# Altium PCB OneStep.PcbDoc
Units mm, origin at the board's own origin, x right, y up, seen from the top; angles counter-clockwise.
Board outline 99.99 x 92.95 mm, 2 copper layers (Top Layer, Bottom Layer), stack 1.5 mm thick; 36 components, 45 nets, 169 pads, 0 vias.
Unrouted connection lines stored in the file: 1.
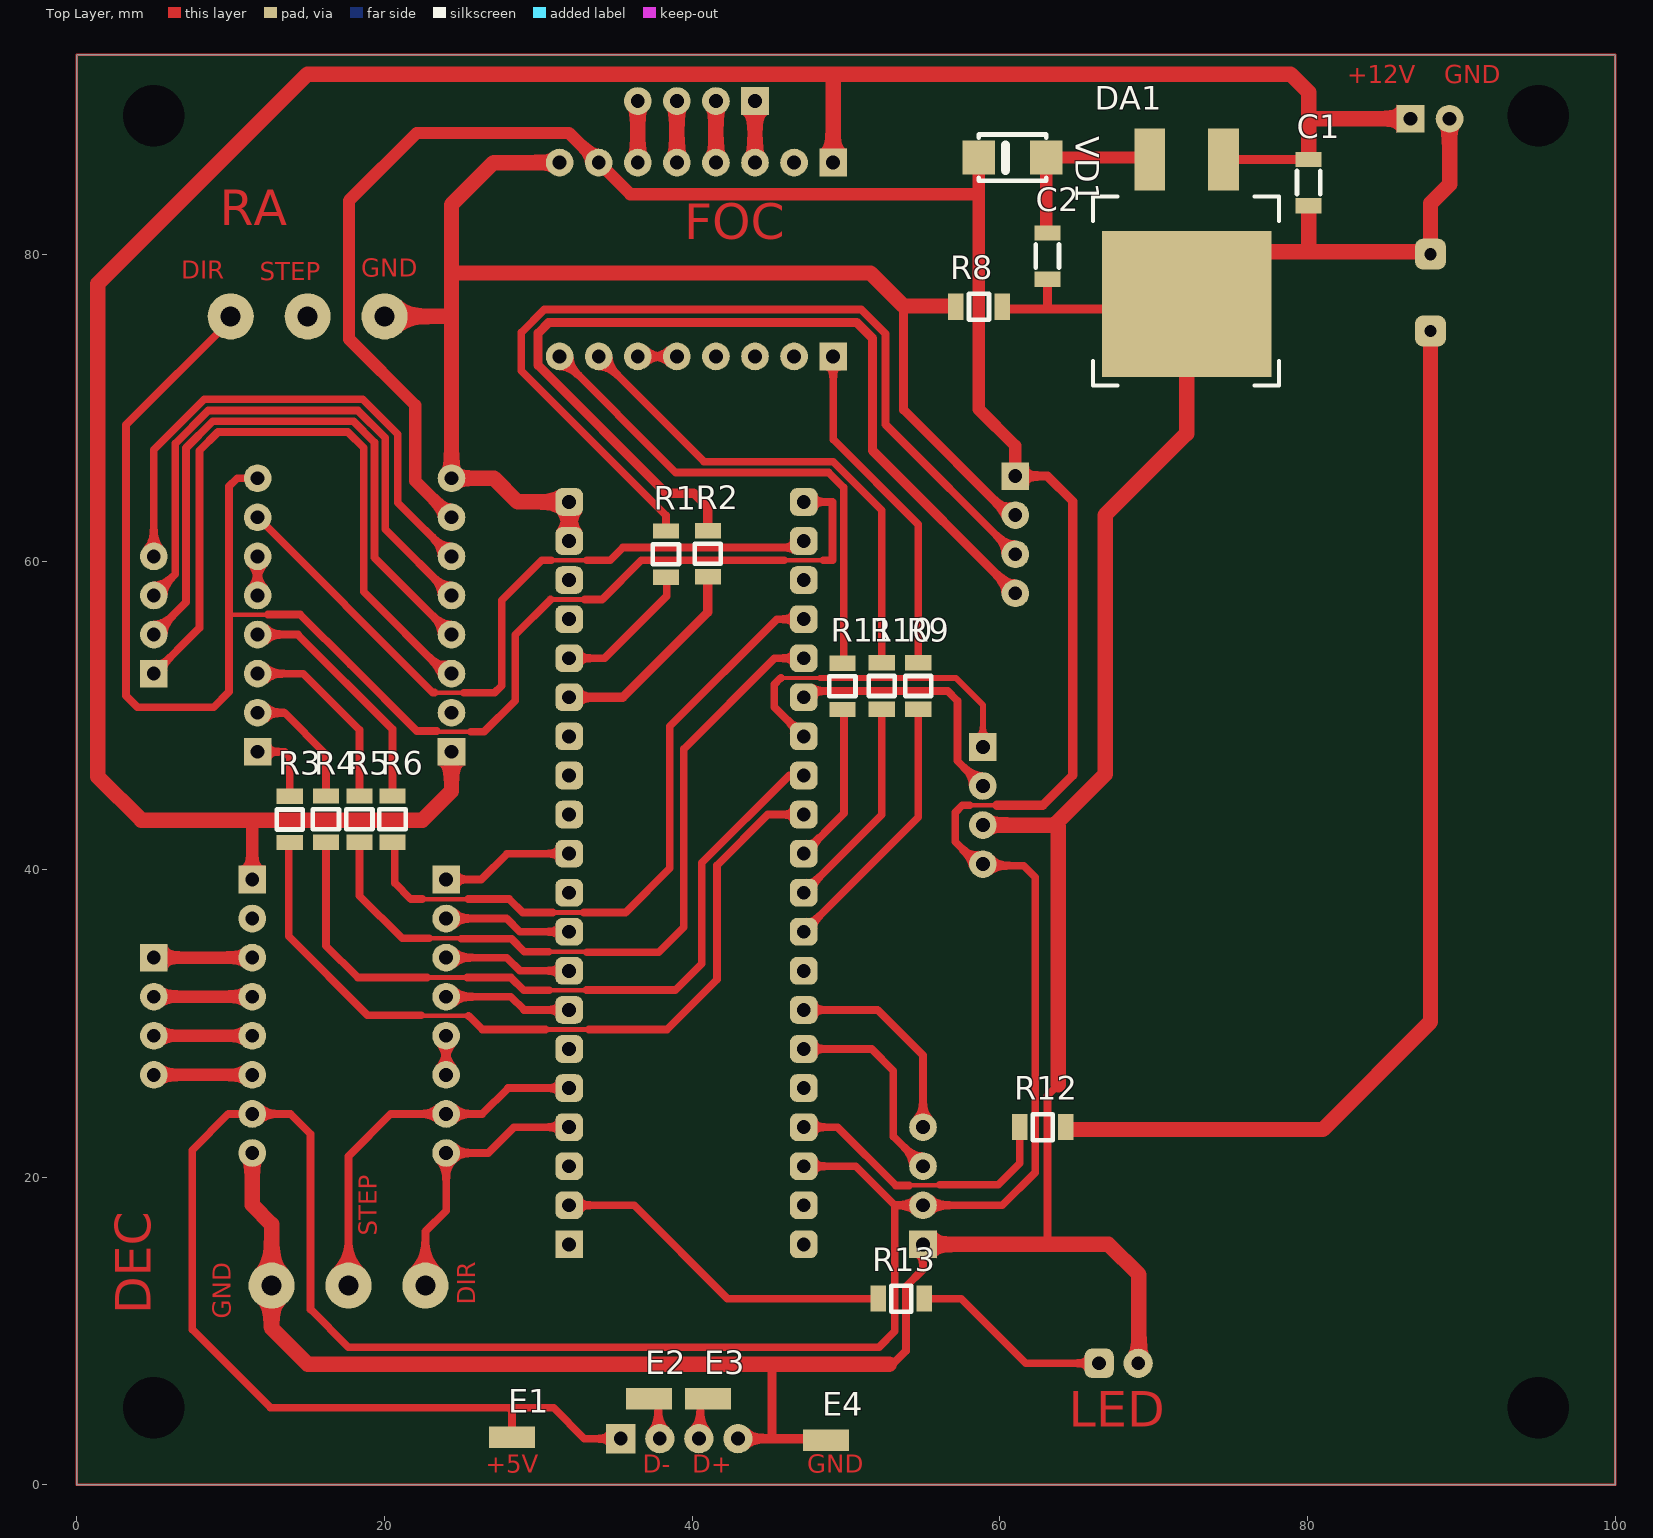
[diagram p0: Top Layer view]
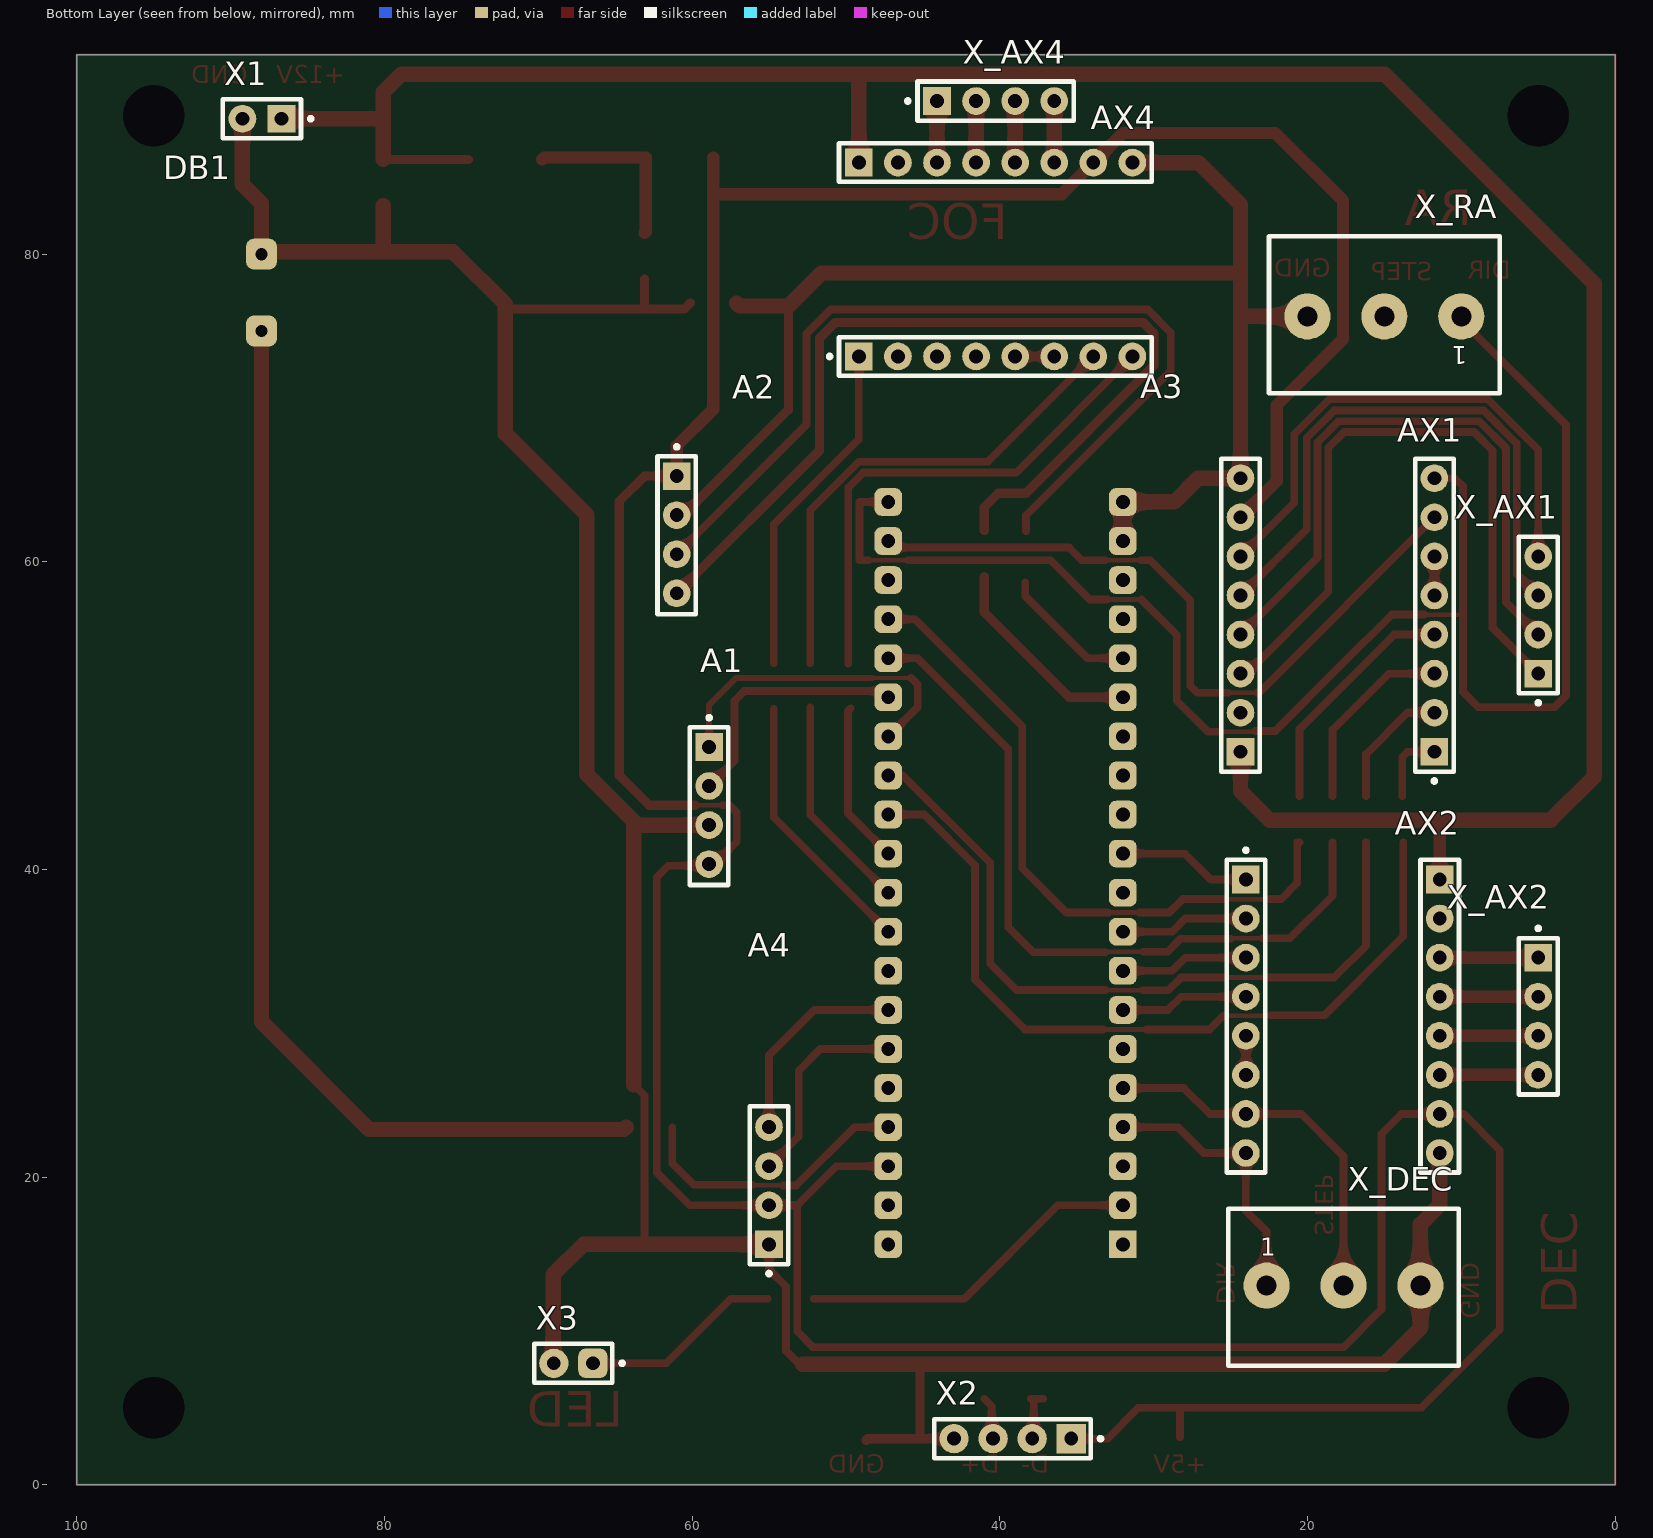
[diagram p1: Bottom Layer view, seen from below]
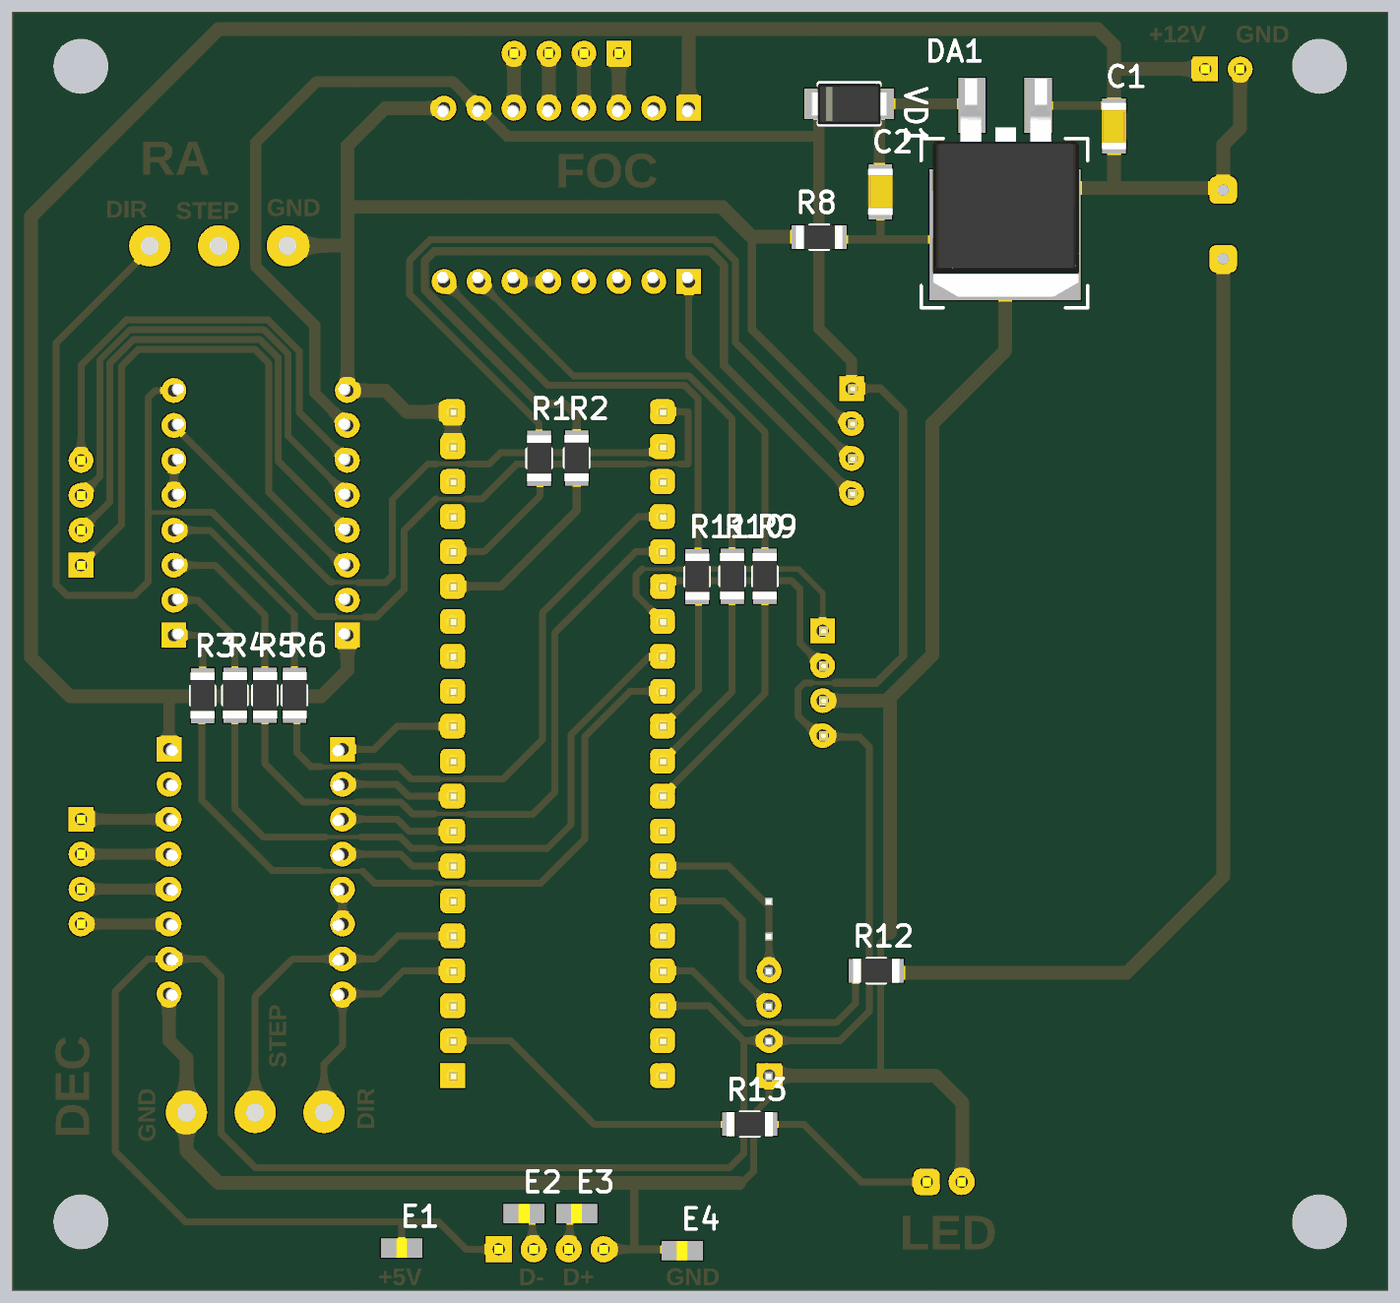
[diagram p2: 3D render of the assembled board from above, using the file's embedded part models]
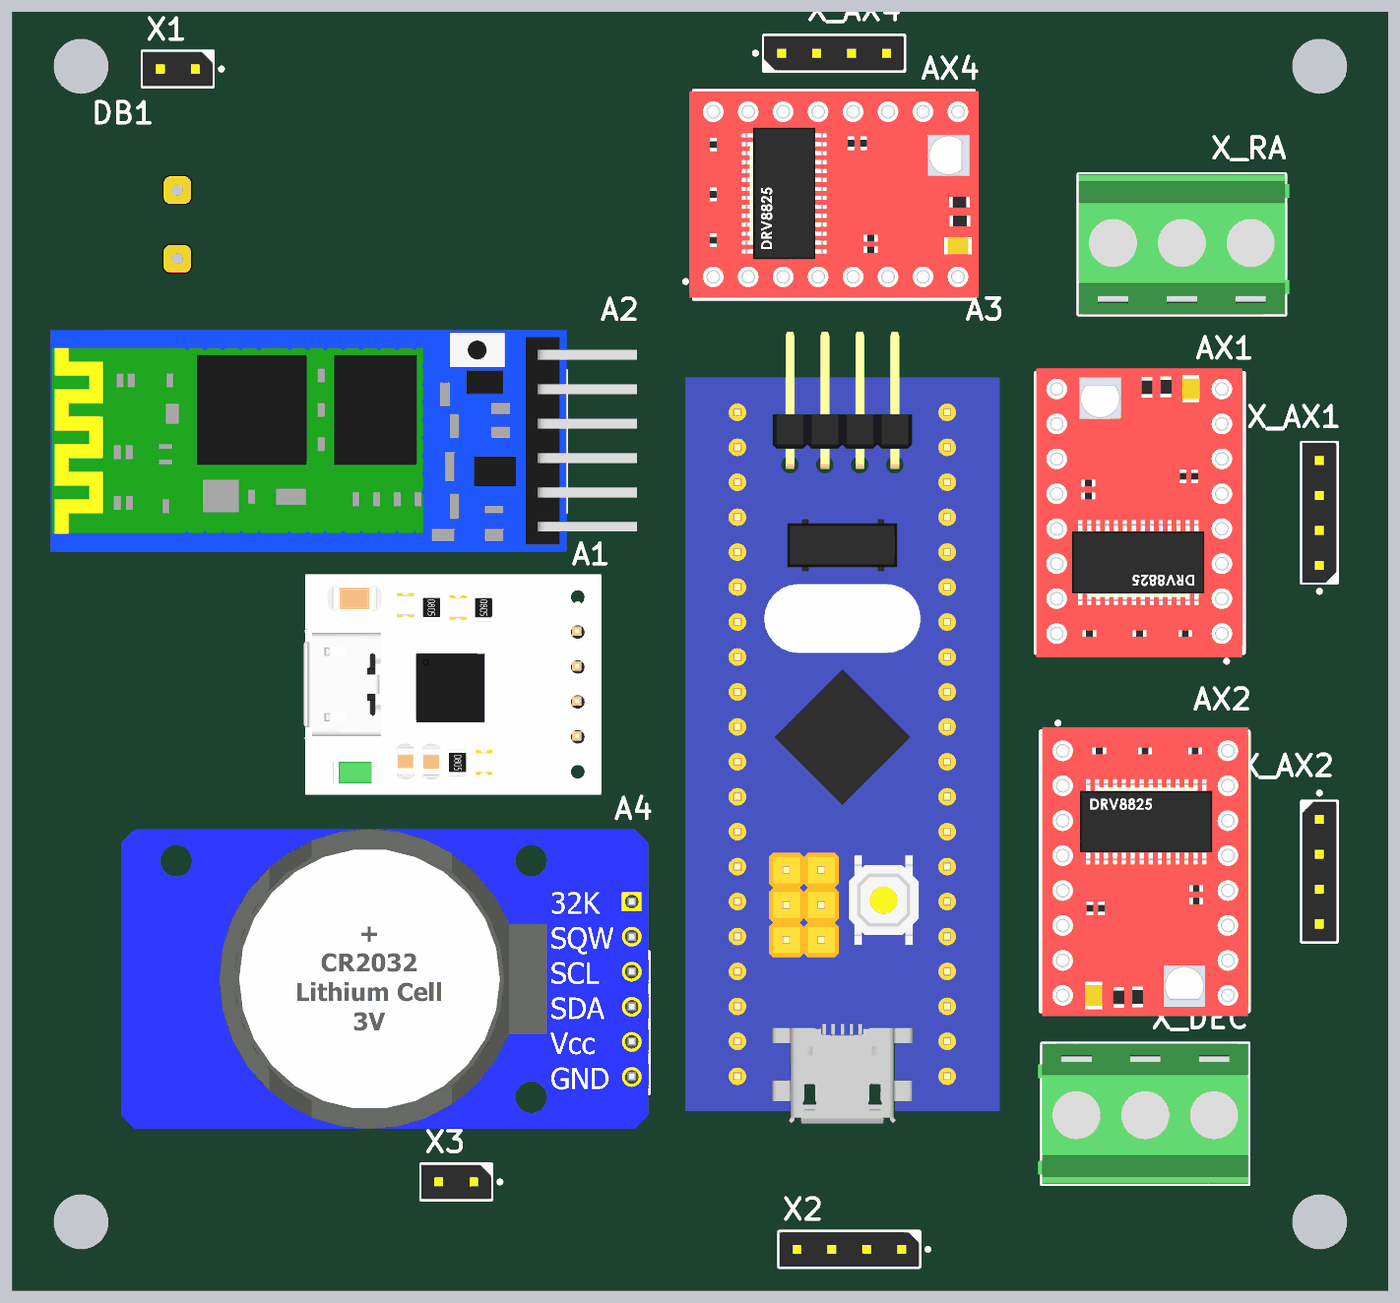
[diagram p3: 3D render of the assembled board from below, using the file's embedded part models]

## Layer stack, top to bottom
Top Solder: solder mask 0.05, Solder Resist, Dk 3.5
Top Layer: signal copper 0.018
Dielectric 1: dielectric 1.464, FR-4, Dk 4.8
Bottom Layer: signal copper 0.018
Bottom Solder: solder mask 0.05, Solder Resist, Dk 3.5

## Board outline
0.01,0 0.01,92.95 100,92.95 100,0

## Design rules (kind name [scope] priority, off if disabled: settings)
BoardOutlineClearance [OnLayer('Top Layer')] p1: gap=0.5 ignorepadtopadclearanceinfootprint=FALSE
BoardOutlineClearance BoardOutlineClearance_1 [OnLayer('Bottom Layer')] p2: gap=0.5 ignorepadtopadclearanceinfootprint=FALSE
Clearance [All] p1: gap=0.2 ignorepadtopadclearanceinfootprint=FALSE
ComponentClearance [All] p1: gap=0.5 collisioncheckmode=3 verticalgap=0.5 showdistances=FALSE
Height [All] p1: minheight=0 maxheight=50 prefheight=12.7
HoleSize [All] p1: absolutevalues=TRUE maxlimit=20 minlimit=0.4 maxpercent=80.000 minpercent=20.000
MinimumSolderMaskSliver [All] p1: minsoldermaskwidth=0.2
PolygonConnect PolygonConnect_Via [All] p1: connectstyle=Direct reliefconductorwidth=0.254 reliefentries=4 polygonreliefangle="90 Angle" airgapwidth=0.254
PolygonConnect [All] p2: connectstyle=Relief reliefconductorwidth=0.3 reliefentries=4 polygonreliefangle="90 Angle" airgapwidth=0.3
RoutingVias [All] p1: holewidth=0.711 width=1.27 viastyle="Through Hole" minholewidth=0.711 minwidth=1.27 maxholewidth=0.711 maxwidth=1.27
SilkToSilkClearance [All] p1: silktosilkclearance=0
SilkToSolderMaskClearance [IsPad] p1 off: minsilkscreentomaskgap=0.1 clearancetoexposedcopper=TRUE
SolderMaskExpansion [All] p1: expansion=0.1
Width [All] p1: maxlimit=2.5 minlimit=0.25 preferedwidth=0.3
24 further rules are at their usual default settings.

## Components (designator, comment, footprint, x,y, rotation, side; value= is the part's Value field where it differs from the comment)
A1 "CPL2102" CP2102 58.9,47.965 r180 bottom
A2 "HC-05" HC-05 61.01,65.57 r180 bottom
A3 "STM32F103C8" STM32BLUE_PILL 32.01,15.63 r0 bottom
A4 "DS3231" DS3231 55.01,23.25 r180 bottom
AX1 "A4988_Ra" A4899 11.76,47.65 r0 bottom
AX2 "A4988_Dec" A4899 24.01,39.35 r180 bottom
AX4 "A4988_Foc" A4899 49.17,73.35 r90 bottom
C1 "4,7мкФ" C1206H19 80.075,84.65 r90 top value=4.7uF
C2 "4,7мкФ" C1206H19 63.1,79.875 r90 top value=4.7uF
DA1 "L7805CD2T" D2PAK 72.05,76.65 r270 top
DB1 "PKM13" PKM13 88,80 r270 bottom
E1 "=Comment" KP_P08x14 28.3,3.1 r180 top
E2 "=Comment" KP_P08x14 37.2,5.6 r180 top
E3 "=Comment" KP_P08x14 41.025,5.6 r180 top
E4 "=Comment" KP_P08x14 48.7,2.9 r180 top
R1 "0 Ом" R1206H07 38.3,60.5 r90 top value=0Оhm
R2 "0 Ом" R1206H07 41.025,60.525 r90 top value=0Оhm
R3 "0 Ом" R1206H07 13.85,43.25 r90 top value=0Оhm
R4 "0 Ом" R1206H07 16.2,43.275 r270 top value=0Оhm
R5 "0 Ом" R1206H07 18.375,43.275 r90 top value=0Оhm
R6 "0 Ом" R1206H07 20.525,43.275 r90 top value=0Оhm
R8 "0 Ом" R1206H07 58.65,76.575 r0 top value=0Оhm
R9 "0 Ом" R1206H07 54.7,51.925 r90 top value=0Оhm
R10 "0 Ом" R1206H07 52.325,51.925 r90 top value=0Оhm
R11 "0 Ом" R1206H07 49.775,51.9 r90 top value=0Оhm
R12 "0 Ом" R1206H07 62.8,23.25 r0 top value=0Оhm
R13 "0 Ом" R1206H07 53.6,12.1 r180 top value=0Оhm
VD1 "US1J" SMA 60.825,86.275 r0 top
X1 "PLS-02" PLS-02#1 86.7,88.8 r0 bottom
X2 "PLS-04" PLS-04#1 35.36,3 r0 bottom
X3 "PLS-02" PLS-02#2 66.46,7.9 r0 bottom
X_AX1 "PLS-04" PLS-04#2 5.01,52.73 r90 bottom
X_AX2 "PLS-04" PLS-04#2 5.01,34.27 r270 bottom
X_AX4 "PLS-04" PLS-04#2 44.09,89.95 r180 bottom
X_DEC "DG128-5.0-03P" DG128-5.0-03 22.667,12.95 r180 bottom
X_RA "DG128-5.0-03P" DG128-5.0-03 10.01,75.95 r0 bottom

## Footprints (in the part's own frame and the unit in brackets; to place one, negate y for a bottom-side part, rotate by r counter-clockwise, add the part's x,y. Pads: shape width x height; smd on the part's side, far side on the other; paste and mask are expansions set on the pad)
A4899 [mm]
  rect 1.8x1.8 hole 0.9: 1(0,0) 16(12.6,0)
  round 1.8 hole 0.9: 2(0,-2.54) 3(0,-5.08) 4(0,-7.62) 5(0,-10.16) 6(0,-12.7) 7(0,-15.24) 8(0,-17.78) 9(12.6,-17.78) 10(12.6,-15.24) 11(12.6,-12.7) 12(12.6,-10.16) 13(12.6,-7.62) 14(12.6,-5.08) 15(12.6,-2.54)
  silkscreen extent -1.25,-19.05 13.85,2, body extent -1.16,-19.39 13.84,1.61, height 9.32
C1206H19 [mm] "Chip Capacitor, 2-Leads, Body 3,20x1,60mm, IPC High Density"
  rect 1x1.7 smd: 1(-1.5,0) 2(1.5,0)
  silkscreen extent -0.75,-0.75 0.75,0.75, body extent -1.7,-0.9 1.7,0.9, height 1.9
CP2102 [mm]
  rect 1.8x1.8 hole 0.9: 1(0,0)
  round 1.8 hole 0.9: 2(0,-2.54) 3(0,-5.08) 4(0,-7.62)
  silkscreen extent -1.25,-8.98 1.25,2, body extent -19.91,-11.9 1.71,4.1, height 9.73
D2PAK [mm]
  rect 4x2 smd: 1(-9.5,2.5) 3(-9.5,-2.3)
  rect 9.5x11 smd: 2(-0.1,0.1)
  silkscreen extent -7.1,-6 5.2,6.1, body extent -11.45,-5.16 4.4,5.48, height 4.8
DG128-5.0-03 [mm] "3-Leads connector, Body 15.0x10.2mm, Pitch 5.0mm, IPC Medium Density"
  round 3 hole 1.3: 1(0,0) 2(5,0) 3(10,0)
  silkscreen extent -2.5,-5.2 12.5,5, body extent -2.8,-5.2 12.5,5, height 14.3
DS3231 [mm]
  rect 1.8x1.8 hole 0.9: 1(0,-7.62)
  round 1.8 hole 0.9: 2(0,-5.08) 3(0,-2.54) 4(0,0)
  silkscreen extent -1.25,-9.62 1.25,1.36, body extent -37.07,-11.5 1.27,10.3, height 15.63
HC-05 [mm]
  rect 1.8x1.8 hole 0.9: 1(0,0)
  round 1.8 hole 0.9: 2(0,-2.54) 3(0,-5.08) 4(0,-7.62)
  silkscreen extent -1.25,-8.98 1.25,2, body extent -36.2,-11.85 6.4,4.25, height 11.9
KP_P08x14 [mm]
  rect 3x1.4 smd: 1(0,0)
  body extent -0.4,-0.7 0.4,0.7, height 0.1
PKM13 [mm] "Busser"
  rrect50% 2x2 hole 0.8: 1(0,0) 2(5,0)
  body extent -4,-6.5 9,6.5, height 7
PLS-02#1 [mm] "3-Leads PLS-connector, Pitch 2.54mm, IPC Medium Density"
  rect 1.8x1.8 hole 0.9: 1(0,0)
  round 1.8 hole 0.9: 2(2.54,0)
  silkscreen extent -2,-1.27 3.81,1.27, body extent -1.27,-1.25 3.81,1.25, height 8.54
PLS-02#2 [mm] "3-Leads PLS-connector, Pitch 2.54mm, IPC Medium Density"
  rrect50% 1.9x1.9 hole 0.9: 1(0,0)
  round 1.9 hole 0.9: 2(2.54,0)
  silkscreen extent -2,-1.27 3.81,1.27, body extent -1.27,-1.25 3.81,1.25, height 8.54
PLS-04#1 [mm] "4-Leads PLS-connector, Pitch 2.54mm, IPC Medium Density"
  rect 1.9x1.9 hole 0.9: 1(0,0)
  round 1.9 hole 0.9: 2(2.54,0) 3(5.08,0) 4(7.62,0)
  silkscreen extent -2,-1.27 8.9,1.27, body extent -1.27,-1.25 8.89,1.25, height 8.54
PLS-04#2 [mm] "4-Leads PLS-connector, Pitch 2.54mm, IPC Medium Density"
  rect 1.8x1.8 hole 0.9: 1(0,0)
  round 1.8 hole 0.9: 2(2.54,0) 3(5.08,0) 4(7.62,0)
  silkscreen extent -2,-1.27 8.9,1.27, body extent -1.27,-1.25 8.89,1.25, height 8.54
R1206H07 [mm] "Chip Resistor, 2-Leads, Body 3,20x1,60mm, IPC High Density"
  rect 1x1.7 smd: 1(-1.5,0) 2(1.5,0)
  silkscreen extent -0.65,-0.85 0.65,0.85, body extent -1.68,-0.87 1.68,0.87, height 0.7
SMA [mm] "SMC, 2-Leads, Body 4.5x2.79mm"
  rect 2.1x2.2 smd: 1(2.2,0) 2(-2.2,0)
  silkscreen extent -2.2,-1.5 2.2,1.5, body extent -2.8,-1.5 2.8,1.45, height 3
STM32BLUE_PILL [mm]
  rect 1.8x1.8 hole 0.9: 1(0,0)
  rrect50% 1.8x1.8 hole 0.9: 2(0,-2.54) 3(0,-5.08) 4(0,-7.62) 5(0,-10.16) 6(0,-12.7) 7(0,-15.24) 8(0,-17.78) 9(0,-20.32) 10(0,-22.86) 11(0,-25.4) 12(0,-27.94) 13(0,-30.48) 14(0,-33.02) 15(0,-35.56) 16(0,-38.1) 17(0,-40.64) 18(0,-43.18) 19(0,-45.72) 20(0,-48.26) 21(15.25,-48.26) 22(15.25,-45.72) 23(15.25,-43.18) 24(15.25,-40.64) 25(15.25,-38.1) 26(15.25,-35.56) 27(15.25,-33.02) 28(15.25,-30.48) 29(15.25,-27.94) 30(15.25,-25.4) 31(15.25,-22.86) 32(15.25,-20.32) 33(15.25,-17.78) 34(15.25,-15.24) 35(15.25,-12.7) 36(15.25,-10.16) 37(15.25,-7.62) 38(15.25,-5.08) 39(15.25,-2.54) 40(15.25,0)
  body extent -3.76,-54.08 19.1,3.48, height 14.77

## Part data
A1: Manufacturer="Texas Instruments", Package=SOT23-6, ValueBOM="DType: Микросхема CPL2102 Texas Instruments", ComponentLink1Description=Datasheet, ComponentLink1URL="c:\Dataseets\Микросхемы\По фирмам\Avago Technologies\HCPL-4100.pdf", DType=Микросхема, ValueSCH=CPL2102
A2: Manufacturer="Texas Instruments", Package=SOT23-6, ValueBOM="DType: Микросхема HC-05 Texas Instruments", ComponentLink1Description=Datasheet, ComponentLink1URL="c:\Dataseets\Микросхемы\По фирмам\Avago Technologies\HCPL-4100.pdf", DType=Микросхема, ValueSCH=HC-05
A3: library part STM32BLUE_PILL, Manufacturer=NXP, Package=TSSOP8, ValueBOM="Микросхема STM32F103C8 NXP", ComponentLink1Description=Datasheet, ComponentLink1URL="c:\Dataseets\Микросхемы\По фирмам\Avago Technologies\HCPL-4100.pdf", DType=Микросхема, ValueSCH=STM32F103C8
A4: Manufacturer="Texas Instruments", Package=SOT23-6, ValueBOM="DType: Микросхема DS3231 Texas Instruments", ComponentLink1Description=Datasheet, ComponentLink1URL="c:\Dataseets\Микросхемы\По фирмам\Avago Technologies\HCPL-4100.pdf", DType=Микросхема, ValueSCH=DS3231
AX1 AX2 AX4: library part DRV8825, "STEP Motor Driver", PackageType=PLS, TemperatureOperating="-40°C to +85°C", ComponentLink1Description="Ссылка на сайт производителя", ComponentLink2Description="Ссылка на сайт производителя", ComponentLink3Description="Ссылка на сайт производителя", FullName="Микросхема MAX1316ECM Maxim", HelpURL="D:\Local_view\PDM\Справочники\Перечень ЭРИ\Документация\max1316-max1326.pdf", ID=DRV8825, Mounting=SMT, Part Number=DRV8825, TemperatureStorage="-40°C to +85°C", Type=Микросхема, Поставщик=Texas
C1 C2: library part "C1206 X7R 50V 4.7uF", "Керамический ЧИП конденсатор", Package=1206, PackageType=CAP-CHIP, Part Number="1206 X7R 50В 4,7мкФ", TemperatureOperating_max=125, TemperatureOperating_min=-55, Tolerance=±10%, Voltage=50V, ComponentLink1Description="Ссылка на сайт производителя", ComponentLink2Description="Ссылка на сайт производителя", ComponentLink3Description="Ссылка на сайт производителя", FullName="Конденсатор 1206 X7R 50В 4,7мкФ", HelpURL="D:\local_view\PDM\Справочники\Перечень ЭРИ\Документация\Конденсаторы\Керамические\ЧИП\0201-1812_TY.pdf", ID="C1206 X7R 50V 4.7uF", Mounting=SMT, TKE=X7R, Type=Конденсатор
DA1: "Positive voltage regulator", Manufacturer="ST Microelectronics", Package=D2PAK, PackageType=DPAK, TemperatureOperating_max=+150, TemperatureOperating_min=-65, ComponentLink1Description="Ссылка на сайт производителя", ComponentLink2Description="Ссылка на сайт производителя", ComponentLink3Description="Ссылка на сайт производителя", ExtendedParameters="DC Input voltage 35V / Output voltage 5+-2V / Output current to 1.5A / Dropout voltage 2-2.5V / Output noise voltage 40 µV/VO", FullName="Микросхема L7805CD2T ST Microelectronics", Functionality="Линейные стабилизаторы напряжения", HelpURL="D:\local_view\PDM\Справочники\Перечень ЭРИ\Документация\Микросхемы\Линейные стабилизаторы напряжения\L7800_STMicroelectronics.pdf", ID=L7805CD2T, Mounting=SMT, Part Number=L7805CD2T, Type=Микросхема
DB1: "=Description"
E1 E2 E3 E4: library part KP_P08x14, ComponentLink1Description="Ссылка на сайт производителя", ComponentLink2Description="Ссылка на сайт производителя", ComponentLink3Description="Ссылка на сайт производителя", FullName=KP_P08x14, ID=KP_P08x14, Part Number=KP_P08x14
R1 R2 R3 R4 R5 R6 R8 R9 R10 R11 R12 R13: library part "R1206 0Ohm_5", "Постоянный ЧИП резистор", Package=1206, PackageType=RES-CHIP, Part Number="1206 0 Ом±5%", Power=0.25W, TemperatureOperating_max=155, TemperatureOperating_min=-55, Tolerance=±5%, ComponentLink1Description="Ссылка на сайт производителя", ComponentLink2Description="Ссылка на сайт производителя", ComponentLink3Description="Ссылка на сайт производителя", FullName="Резистор 1206 0 Ом±5%", HelpURL="D:\Local_view\PDM\Справочники\Перечень ЭРИ\Документация\Резисторы\Постоянные\ЧИП\RC1206_yageo.pdf", ID="R1206 0Ohm_5", Mounting=SMT, Type=Резистор
VD1: "Surface Mount Ultra Fast Rectifier", Current=1A, Manufacturer=Vishay, Package=SMA, Reverse_Voltage=420V, TemperatureOperating_max=150, TemperatureOperating_min=-55, ComponentLink1Description="Ссылка на сайт производителя", ComponentLink2Description="Ссылка на сайт производителя", ComponentLink3Description="Ссылка на сайт производителя", FullName="Диод US1J Vishay", HelpURL="D:\local_view\PDM\Справочники\Перечень ЭРИ\Документация\Диоды\Выпрямительные и импульсные диоды\US1A-US1M_Vishay.pdf", ID=US1J, Mounting=SMT, PackageType=SMA, Part Number=US1J, Type=Диод
X1 X2 X3 X_AX1 X_AX2 X_AX4: "Вилка на плату прямая шаг 2,54 мм 1 ряд", Current=1А, PackageType=CON-PLD, TemperatureOperating_max=105, TemperatureOperating_min=-25, Voltage_max=250V, ComponentLink1Description="Ссылка на сайт производителя", ComponentLink2Description="Ссылка на сайт производителя", ComponentLink3Description="Ссылка на сайт производителя", HelpURL="D:\Local_view\PDM\Справочники\Перечень ЭРИ\Документация\Соединители\Прямоугольные\pld_pls.pdf", Mounting=THT, Type=Вилка
  X1 X3: FullName="Вилка PLS-02", ID=PLS-02, Package=PLS-02, Part Number=PLS-02
  X2 X_AX1 X_AX2 X_AX4: FullName="Вилка PLS-04", ID=PLS-04, Package=PLS-04, Part Number=PLS-04
X_DEC X_RA: library part DG128-5.0-03P-14, "Винтовой клеммник,  / 3 контакта", Manufacturer=DEGSON, Package=DG128-03, PackageType=DG128, TemperatureOperating_max=105, TemperatureOperating_min=-40, ComponentLink1Description="Ссылка на сайт производителя", ComponentLink2Description="Ссылка на сайт производителя", ComponentLink3Description="Ссылка на сайт производителя", ExtendedParameters="Сечение 24-12AWG/2.5 кв.мм / 300V, 10А", FullName="Клеммник DG128-5.0-03P-14 Degson", HelpURL="D:\Local_view\PDM\Справочники\Перечень ЭРИ\Документация\Соединители\Клеммники\DG128-5.0.pdf", ID=DG128-5.0-03P-14, Mounting=THT, Part Number=DG128-5.0-03P-14, Type=Клеммник

## Free pads (board coordinates)
  round 1.5 hole 4 unplated: 3(5,5) 4(95,5) 5(95,89) 6(5,89)

## Nets (pads, with @x,y where several pads share a name; then routed paths per layer and width w, separated by ;. In a path a pad name is that pad's centre, name@x,y a point inside that pad or via, vN(x,y) a via of type N, cw(c..) or ccw(c..) an arc to the next point about the centre after c; other vN are vias at no path point)
+5: A1.4 A2.1 A3.38 A4.2 AX1.10 AX2.10 AX4.10 E1.1 VD1.2 X2.1 | length 277.3
  Top Layer w0.3: 58.057,44.175 59.825,44.175
  Top Layer w0.5: E1.1 28.3,4.8 28.1,5 ; X2.1@35.46,3 X2.1 33,3 31,5 28.1,5 ; A3.38 50.635,20.71 53.175,18.17 ; 58.057,44.175 57.575,44.175 57.1,43.7 57.1,41.8 58.65,40.25 61.55,40.25 62.3,39.5 62.3,20.3 60.17,18.17 A4.2 53.175,18.17 ; 28.1,5 12.6,5 7.5,10.1 7.5,21.75 9.86,24.11 AX2.10 13.89,24.11 15.2,22.8 15.2,11.4 17.65,8.95 52.15,8.95 53.175,9.975 53.175,18.17
  Top Layer w0.6: 59.825,44.175 62.8,44.175 64.75,46.125 64.75,63.925 63.105,65.57 A2.1
  Top Layer w0.8: AX1.10 22,65.25 22,70.175 17.7,74.475 17.7,83.475 22.1,87.875 32.005,87.875 AX4.10 35.98,83.9 58.625,83.9 ; VD1.2 58.625,83.9 ; A2.1 61.01,67.54 58.625,69.925 58.625,83.9
+12: AX1.16 AX2.16 AX4.16 C1.2 DA1.1 X1.1 | length 170.6
  Top Layer w0.6: DA1.1 C1.2
  Top Layer w0.8: AX2.16 11.41,43.2
  Top Layer w1: AX1.16 24.36,45.085 22.475,43.2 11.41,43.2 4.2,43.2 1.375,46.025 1.375,78.075 15,91.7 49.17,91.7 ; AX4.16 49.17,91.7 ; C1.2 80.075,88.475 ; X1.1 80.4,88.8 80.075,88.475 ; 49.17,91.7 78.9,91.7 80.075,90.525 80.075,88.475
AX1DIR: A3.21 AX1.8 X_RA.1 | length 105.5
  Top Layer w0.3: 9.9,56.56 12.278,56.56 12.288,56.57 12.43,56.57 ; 23.5,48.94 25.725,48.94 ; 30.8,57.55 33.025,57.55 ; 45.975,60.1 48.525,60.1
  Top Layer w0.5: X_RA.1 10.01,75.71 3.2,68.9 3.2,51.3 3.95,50.55 8.9,50.55 9.9,51.55 9.9,56.56 9.9,64.9 10.43,65.43 AX1.8 ; 12.43,56.57 14.53,56.57 17.8,53.3 22.1,49 23.4,49 ; 25.625,48.95 26.475,48.95 28.5,50.975 28.5,55.25 30.8,57.55 ; 33.025,57.55 34.15,57.55 36.7,60.1 45.975,60.1 ; A3.21 49.125,63.89 49.125,60.1 48.525,60.1
AX1EN: A3.29 R3.1 R3.2 | length 57
  Top Layer w0.3: 22.375,30.525 22.42,30.48 25.47,30.48 ; 30.475,29.6 33.3,29.6
  Top Layer w0.5: 11.76,47.65 13.5,47.65 13.85,47.3 R3.2 ; R3.1@13.775,41.775 13.775,35.65 18.9,30.525 22.375,30.525 ; 25.47,30.48 26.35,29.6 30.475,29.6 ; 33.3,29.6 38.375,29.6 41.625,32.85 41.625,40.275 44.92,43.57 A3.29
AX1M0: A3.28 AX1.2 R4.1 R4.2 | length 56.9
  Top Layer w0.3: 22.77,32.98 25.375,32.98 ; 30.7,32.15 30.71,32.16 33.135,32.16
  Top Layer w0.5: AX1.2 13.51,50.19 16.2,47.5 R4.1 ; R4.2 16.2,35.05 18.27,32.98 22.77,32.98 ; 25.375,32.975 28.225,32.975 29.05,32.15 30.7,32.15 ; 33.135,32.16 38.91,32.16 40.625,33.875 40.625,40.425 46.31,46.11 A3.28
AX1M1: A3.25 AX1.3 R5.1 R5.2 | length 61
  Top Layer w0.3: 22.905,35.52 25,35.52 ; 30.69,34.66 33.15,34.66
  Top Layer w0.5: AX1.3 14.72,52.73 18.375,49.075 R5.2 ; R5.1 18.375,38.295 21.15,35.52 22.905,35.52 ; 25,35.5 28.26,35.5 29.1,34.66 30.69,34.66 ; 33.15,34.625 37.825,34.625 39.45,36.25 39.45,47.825 45.355,53.73 A3.25
AX1M2: A3.24 AX1.4 R6.1 R6.2 | length 59.1
  Top Layer w0.3: 22.45,38.075 25.45,38.075 ; 30.95,37.2 32.95,37.2
  Top Layer w0.5: AX1.4 14.38,55.27 20.525,49.125 R6.2 ; R6.1 20.675,41.775 20.675,39.125 21.725,38.075 22.45,38.075 ; 25.45,38.075 28.125,38.075 29,37.2 30.95,37.2 ; 32.95,37.2 35.675,37.2 38.55,40.075 38.55,49.3 45.52,56.27 A3.24
AX1STEP: A3.22 AX1.7 X_RA.2 | length 47.6
  Top Layer w0.3: 23.25,51.5 23.27,51.48 25.175,51.48 ; 30.85,60.1 33.15,60.1
  Top Layer w0.5: AX1.7 23.15,51.5 23.25,51.5 ; 25.175,51.48 27.155,51.48 27.625,51.95 27.625,57.5 30.225,60.1 30.85,60.1 ; 33.15,60.1 34.675,60.1 35.5,60.925 46.835,60.925 A3.22
AX2DIR: A3.4 AX2.8 X_DEC.1 | length 17.9
  Top Layer w0.5: X_DEC.1 22.667,16.467 24.01,17.81 AX2.8 26.745,21.57 28.425,23.25 A3.4
AX2EN: A3.11 AX2.1 | length 8.7
  Top Layer w0.5: AX2.1 26.295,39.35 27.975,41.03 A3.11
AX2M0: A3.9 AX2.2 | length 8.4
  Top Layer w0.5: AX2.2 27.94,36.81 28.8,35.95 A3.9
AX2M1: A3.8 AX2.3 | length 8.4
  Top Layer w0.5: AX2.3 27.955,34.27 28.815,33.41 A3.8
AX2M2: A3.7 AX2.4 | length 8.4
  Top Layer w0.5: AX2.4 28.22,31.73 29.08,30.87 A3.7
AX2STEP: A3.5 AX2.7 X_DEC.2 | length 24.6
  Top Layer w0.5: X_DEC.2 17.667,21.367 20.41,24.11 AX2.7 26.36,24.11 28.04,25.79 A3.5
AX4DIR: A3.30 AX4.8 R11.1 R11.2 | length 44
  Top Layer w0.5: AX4.8 38.94,65.8 48.875,65.8 49.85,64.825 R11.2@49.85,53.375 ; A3.30 49.875,43.645 49.875,50.3 R11.1 R11.1@49.7,50.475
AX4EN: A3.32 AX4.1 R9.1 R9.2 | length 39.8
  Top Layer w0.5: A3.32 54.7,43.39 R9.1 ; AX4.1 49.17,67.955 54.7,62.425 R9.2
AX4STEP: A3.31 AX4.7 R10.1 R10.2 | length 46.6
  Top Layer w0.5: AX4.7 40.78,66.5 49.165,66.5 52.325,63.34 R10.2 ; A3.31 52.325,43.555 R10.1@52.325,50.525
D+: E3.1 X2.3 | length 2.8
  Top Layer w0.5: X2.3@40.54,3 40.54,5.115 E3.1
D-: E2.1 X2.2 | length 3.5
  Top Layer w0.5: E2.1 37.975,5.6 37.8,5.425 37.8,3.2 X2.2@38,3
GND: A1.3 A2.2 A3.19 A3.20 A4.1 AX1.9 AX2.9 AX4.9 C1.1 C2.1 DA1.2 DB1.1 E4.1 R8.1 R8.2 X1.2 X2.4 X3.2 X_DEC.3 X_RA.3 | length 298.6
  Top Layer w0.5: 52.825,7.825 53.025,7.825 53.9,8.7 53.9,12.886 55.01,13.996 A4.1 ; 63.1,15.63 63.1,25.3 63.8,26
  Top Layer w0.6: X2.4@43.08,3 45.2,3 ; 45.5,7.825 45.2,7.525 45.2,3 ; E4.1 48.6,3 45.2,3 ; 53.75,76.625 53.75,69.875 60.595,63.03 A2.2 ; R8.2@60.125,76.825 60.525,76.425 63.15,76.425 ; C2.1 63.1,76.475 63.15,76.425 ; DA1.2 71.825,76.425 63.15,76.425
  Top Layer w1: AX2.9 11.41,18.19 12.667,16.933 X_DEC.3 12.667,10.183 15.025,7.825 45.5,7.825 52.825,7.825 ; X_RA.3 24.3,75.95 24.36,75.89 ; AX4.9 27.1,85.95 24.36,83.21 24.36,78.625 ; A3.19 A3.20 28.66,63.89 27.12,65.43 AX1.9 24.36,75.89 ; A4.1 63.1,15.63 67.066,15.63 69.04,13.656 X3.2@69.04,7.9 ; R8.1@57.125,76.825 56.925,76.625 53.75,76.625 51.6,78.775 24.51,78.775 24.36,78.625 ; A1.3 63.485,42.885 63.55,42.95 63.625,42.95 ; 63.8,26 63.8,42.775 63.625,42.95 ; C1.1 80.075,80.225 80,80.15 ; X1.2 89.24,84.54 88,83.3 DB1.1 87.85,80.15 80,80.15 ; 24.36,75.89 24.36,78.625 ; 63.625,42.95 66.855,46.18 66.855,63.03 72.15,68.325 DA1.2 75.55,80.15 80,80.15
LED: A3.2 R13.2 | length 22.6
  Top Layer w0.5: A3.2 36.23,18.17 42.3,12.1 R13.2
NetAX1_5: AX1.5 AX1.6 | length 2.5
  Top Layer w0.5: AX1.5 AX1.6
NetAX1_11: AX1.11 X_AX1.4 | length 34.5
  Top Layer w0.5: X_AX1.4 5.01,67.285 8.3,70.575 18.6,70.575 20.875,68.3 20.875,63.835 AX1.11
NetAX1_12: AX1.12 X_AX1.3 | length 37.8
  Top Layer w0.5: X_AX1.3 6.4,59.2 6.4,67.685 8.55,69.835 18.28,69.835 20.05,68.065 20.05,62.12 AX1.12
NetAX1_13: AX1.13 X_AX1.2 | length 41.1
  Top Layer w0.5: X_AX1.2 7.1,57.36 7.1,67.395 8.84,69.135 17.99,69.135 19.35,67.775 19.35,60.28 AX1.13
NetAX1_14: AX1.14 X_AX1.1 | length 44.6
  Top Layer w0.5: X_AX1.1 7.975,55.695 7.975,67.225 9.185,68.435 17.615,68.435 18.65,67.4 18.65,58.05 23.97,52.73 AX1.14
NetAX2_5: AX2.5 AX2.6 | length 2.5
  Top Layer w0.5: AX2.6 AX2.5
NetAX2_11: AX2.11 X_AX2.4 | length 6.4
  Top Layer w0.8: X_AX2.4 AX2.11
NetAX2_12: AX2.12 X_AX2.3 | length 6.4
  Top Layer w0.8: X_AX2.3 AX2.12
NetAX2_13: AX2.13 X_AX2.2 | length 6.4
  Top Layer w0.8: X_AX2.2 AX2.13
NetAX2_14: AX2.14 X_AX2.1 | length 6.4
  Top Layer w0.8: X_AX2.1 AX2.14
NetAX4_5: AX4.5 AX4.6 | length 2.5
  Top Layer w0.5: AX4.6 AX4.5
NetAX4_11: AX4.11 X_AX4.4 | length 4
  Top Layer w1: AX4.11 X_AX4.4
NetAX4_12: AX4.12 X_AX4.3 | length 4
  Top Layer w1: AX4.12 X_AX4.3
NetAX4_13: AX4.13 X_AX4.2 | length 4
  Top Layer w1: AX4.13 X_AX4.2
NetAX4_14: AX4.14 X_AX4.1 | length 4
  Top Layer w1: AX4.14 X_AX4.1
NetC2_2: C2.2 DA1.3 VD1.1 | length 11.7
  Top Layer w0.8: C2.2 63.025,81.45 VD1.1 69.625,86.275 DA1.3
NetR13_1: R13.1 X3.1 | length 13.1
  Top Layer w0.5: R13.1 57.5,12.1 61.7,7.9 X3.1@66.5,7.9
SCL: A3.34 A4.4 | length 13.6
  Top Layer w0.5: A3.34 52.055,30.87 55.01,27.915 A4.4
SDA: A3.35 A4.3 | length 13.4
  Top Layer w0.5: A3.35 51.67,28.33 53.075,26.925 53.075,22.645 A4.3
TONE: A3.37 DB1.2 R12.1 R12.2 | length 90.1
  Top Layer w0.3: 54.1,19.46 56.1,19.46
  Top Layer w0.5: A3.37 49.45,23.25 53.24,19.46 54.1,19.46 ; 56.1,19.5 59.9,19.5 61.3,20.9 R12.1
  Top Layer w1: R12.2 64.45,23.1 81,23.1 88,30.1 DB1.2
USB-RX: A1.2 A3.26 | length 16.7
  Top Layer w0.5: A3.26 47.67,51.6 56.625,51.6 57.25,50.975 57.25,47.075 A1.2
USB-TX: A1.1 A3.27 | length 21.4
  Top Layer w0.25: 45.775,52.45 48.325,52.45
  Top Layer w0.4: 48.325,52.45 57.15,52.45 58.9,50.7 A1.1
  Top Layer w0.5: 45.775,52.45 45.35,52.025 45.35,50.56 A3.27
WIFI-RX: A2.4 A3.15 R2.1 R2.2 | length 74.9
  Top Layer w0.6: A3.15 35.49,51.19 41.025,56.725 R2.1 ; R2.2 41.025,63.55 40.115,64.46 38.3,64.46 29.99,72.77 29.99,74.865 30.675,75.55 50.7,75.55 51.725,74.525 51.725,67.235 A2.4
WIFI-TX: A2.3 A3.16 R1.1 R1.2 | length 68.5
  Top Layer w0.5: A3.16 34.305,53.73 38.35,57.775 R1.1@38.35,58.65 ; R1.2 38.3,63.025 28.9,72.425 28.9,74.9 30.4,76.4 51,76.4 52.575,74.825 52.575,68.925 A2.3
pads on no net: A3.1 A3.3 A3.6 A3.10 A3.12 A3.13 A3.14 A3.17 A3.18 A3.23 A3.33 A3.36 A3.39 A3.40 AX1.1 AX1.15 AX2.15 AX4.2 AX4.3 AX4.4 AX4.15
copper on no net: | length 385.9
  Top Layer w0.15: 0.01,0 100,0 100,92.95 0.01,92.95 0.01,0

## Other copper
Top Layer:
  text "+12V" at 82.6,90.725 h2
  text "GND" at 88.9,90.725 h2
  text "RA" at 9.305,81.1 h4
  text "FOC" at 39.5,80.2 h4
  text "GND" at 18.5,78.125 h2
  text "DIR" at 6.8,78 h2
  text "STEP" at 11.9,77.9 h2
  text "STEP" at 19.9,16.2 h2 r90
  text "DIR" at 26.3,11.7 h2 r90
  text "DEC" at 5.6,11.1 h4 r90
  text "GND" at 10.4,10.8 h2 r90
  text "LED" at 64.5,3 h4
  text "+5V" at 26.6,0.4 h2
  text "D-" at 36.8,0.4 h2
  text "D+" at 40,0.4 h2
  text "GND" at 47.5,0.4 h2

## Silkscreen, mask and mechanical layers (free items; w line width, h text height)
Board Outline:
  the board outline again, w0.3

## Text inside footprints (layer, text, board x,y; h text height)
A1: Board Outline "1" at 59.408,48.219 h1.5 r90; Board Outline "6" at 59.375,40.665 h1.5 r90
A2: Board Outline "6" at 61.485,58.27 h1.5 r90; Board Outline "1" at 61.518,65.824 h1.5 r90
A3: Board Outline "1" at 29.51,16.13 h2 r180; Board Outline "21" at 43.76,64.63 h2 r180; Board Outline "40" at 43.76,16.38 h2 r180; Board Outline "20" at 33.51,64.62 h2 r180
A4: Board Outline "1" at 54.502,15.376 h1.5 r270; Board Outline "6" at 54.535,22.93 h1.5 r270
AX1: Board Outline "16" at 23.852,47.396 h1.5 r270; Board Outline "9" at 23.725,65.43 h1.5 r270; Board Outline "8" at 11.125,65.43 h1.5 r270; Board Outline "1" at 11.252,47.396 h1.5 r270
AX2: Board Outline "1" at 24.518,39.604 h1.5 r90; Board Outline "8" at 24.645,21.57 h1.5 r90; Board Outline "9" at 12.045,21.57 h1.5 r90; Board Outline "16" at 11.918,39.604 h1.5 r90
AX4: Board Outline "16" at 49.424,85.442 h1.5; Board Outline "9" at 31.39,85.315 h1.5; Board Outline "8" at 31.39,72.715 h1.5; Board Outline "1" at 49.424,72.842 h1.5
X1: Bottom Annotation "2" at 88.859,89.181 h1.5 r180; Bottom Annotation "1" at 86.446,89.308 h1.5 r180
X2: Bottom Annotation "4" at 42.86,3.5 h1.5 r180; Bottom Annotation "1" at 35.106,3.508 h1.5 r180
X3: Bottom Annotation "2" at 68.619,8.281 h1.5 r180; Bottom Annotation "1" at 66.206,8.408 h1.5 r180
X_AX1: Bottom Annotation "4" at 4.51,60.23 h1.5 r270; Bottom Annotation "1" at 4.502,52.476 h1.5 r270
X_AX2: Bottom Annotation "4" at 5.51,26.77 h1.5 r90; Bottom Annotation "1" at 5.518,34.524 h1.5 r90
X_AX4: Bottom Annotation "4" at 36.59,89.45 h1.5; Bottom Annotation "1" at 44.344,89.442 h1.5
X_DEC: Bottom Overlay "1" at 23.067,14.5 h2
X_RA: Bottom Overlay "1" at 9.61,74.4 h2 r180